# Altium PCB roach2.PcbDoc (part 21 of 39) (continued)
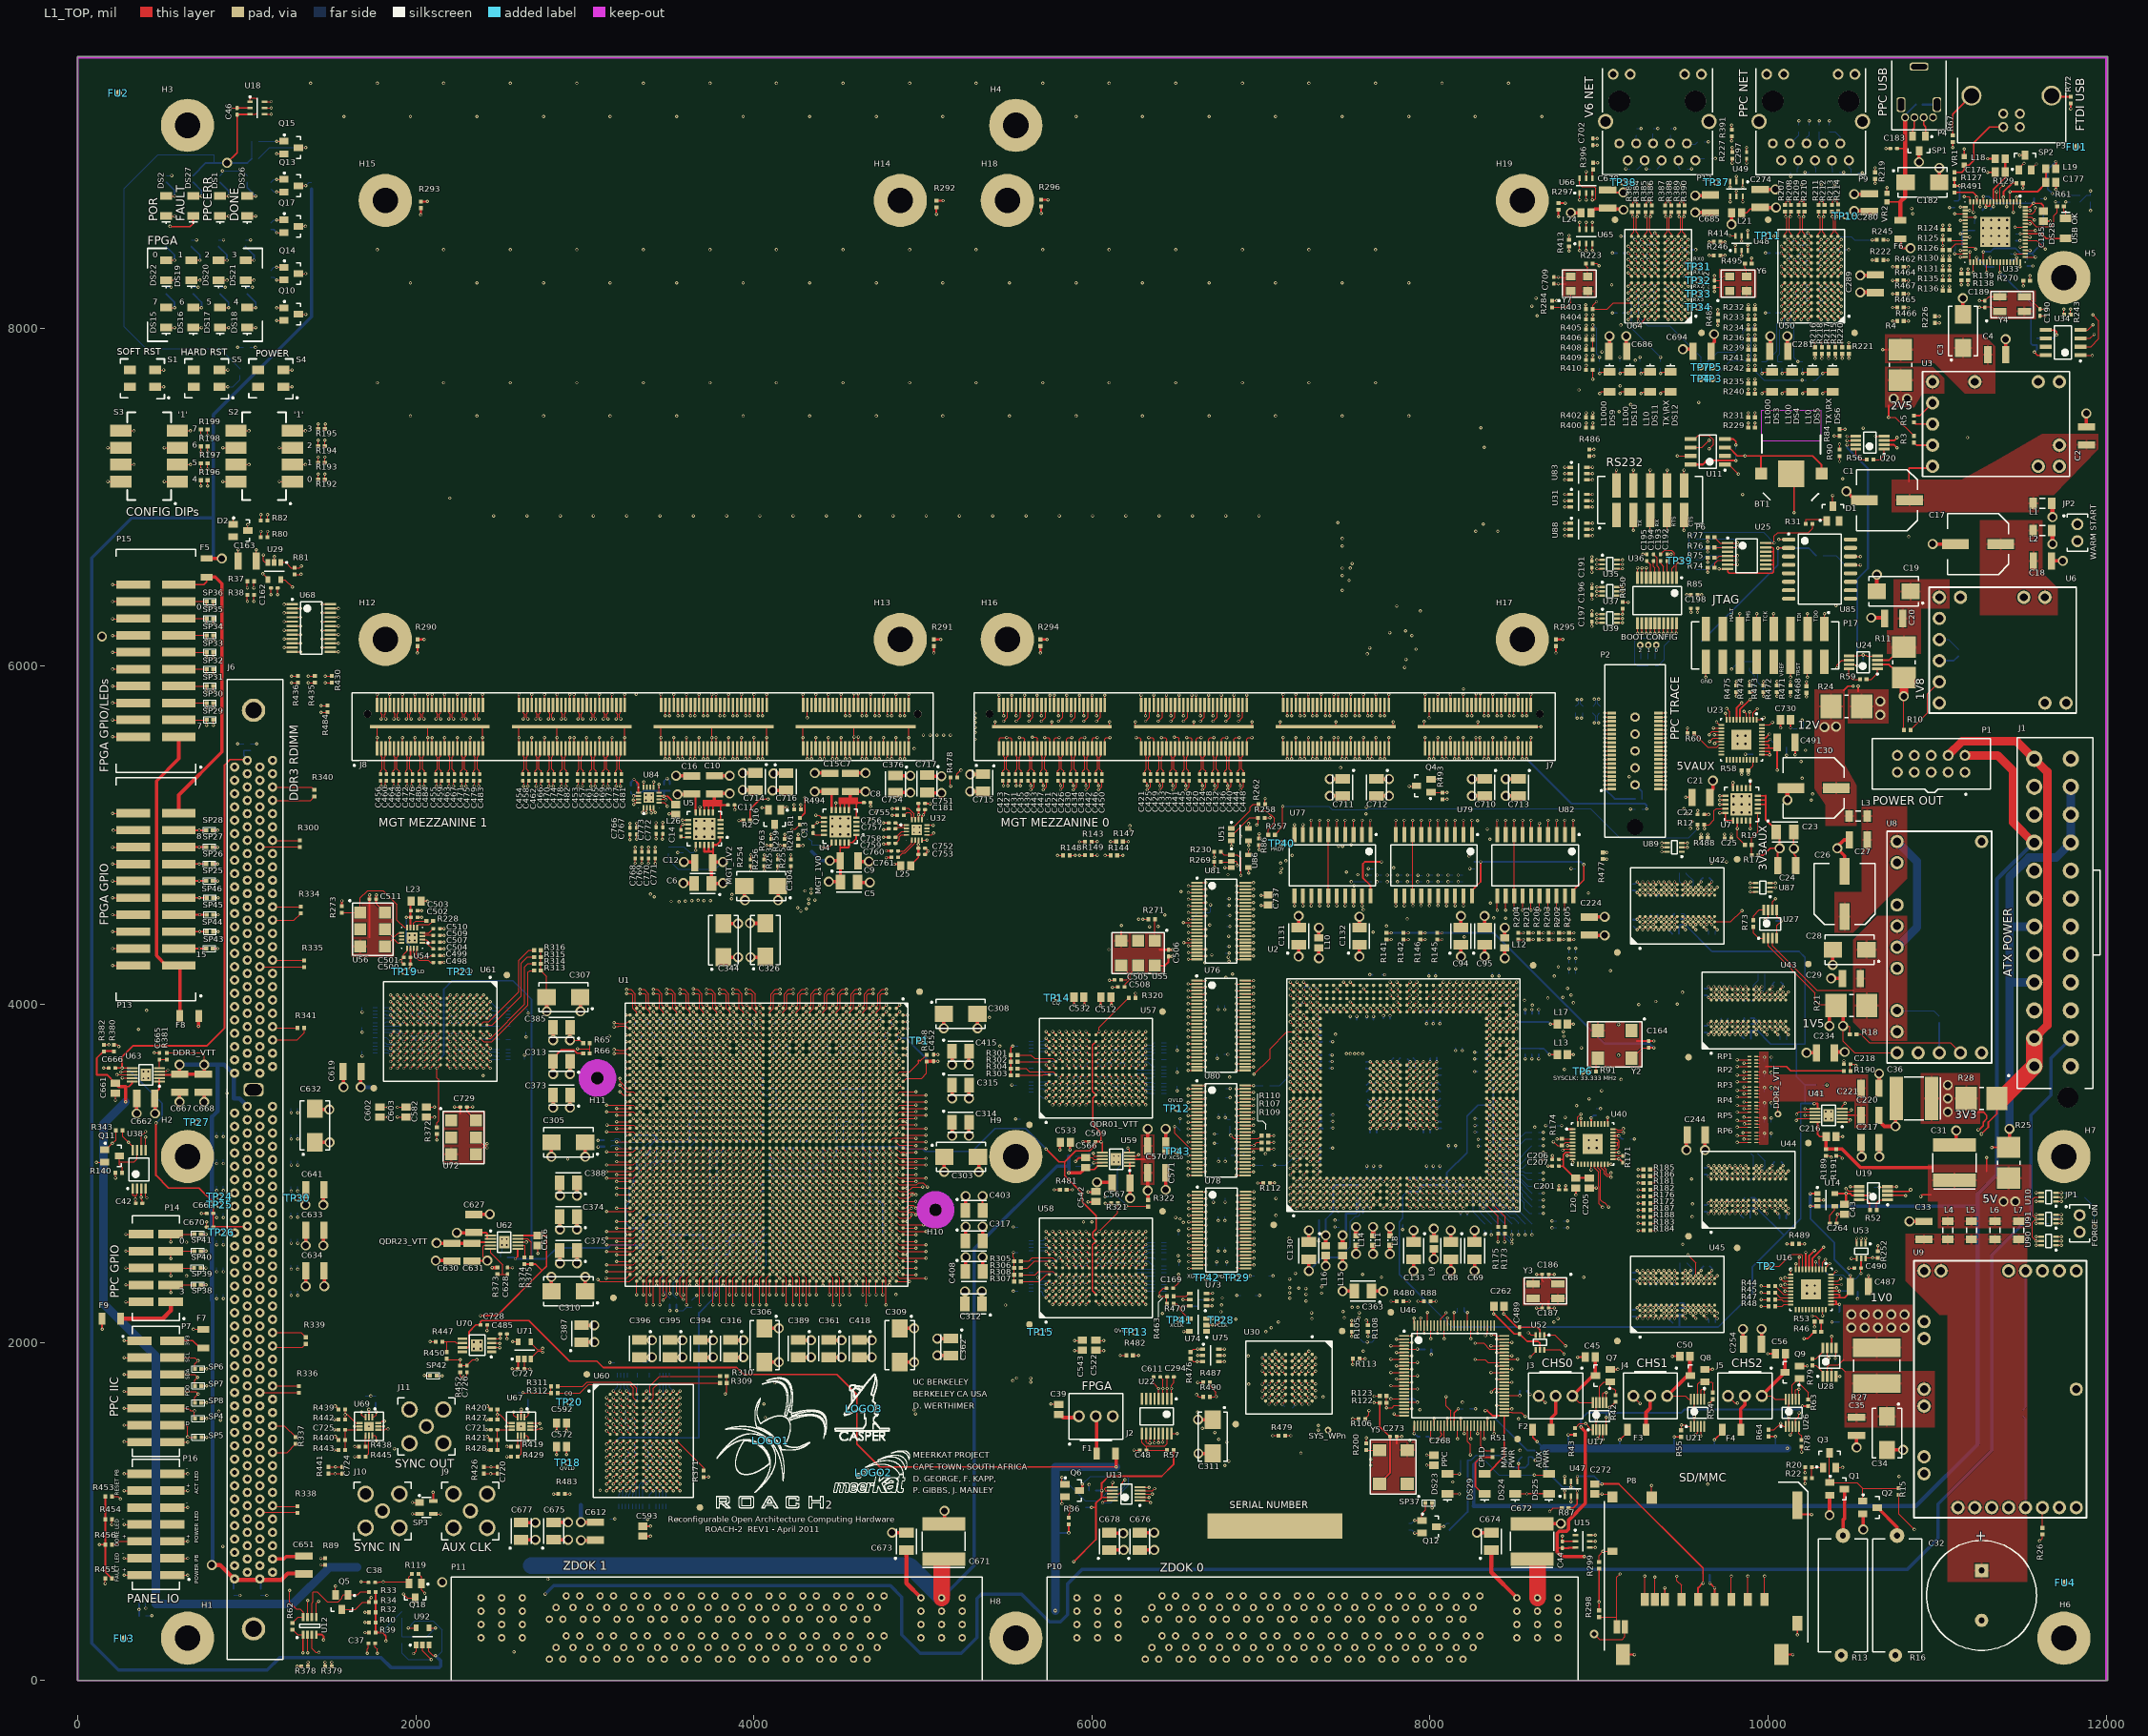
[diagram p0: L1_TOP view]
## Nets (pads, with @x,y where several pads share a name; then routed paths per layer and width w, separated by ;. In a path a pad name is that pad's centre, name@x,y a point inside that pad or via, vN(x,y) a via of type N, cw(c..) or ccw(c..) an arc to the next point about the centre after c; other vN are vias at no path point) (continued)
  other v1: 6958.42,2497.31 4906.68,2518.15 6958.42,2615.42 3243.13,2636.26 6958.42,2891.01 4906.68,2911.85 6955.32,3008.34 6855.32,3027.71 3243.13,3029.96 7704.99,3042.99 6955.32,3047.71 6855.32,3067.08 6955.32,3087.08 6955.32,3126.45 6855.32,3185.19 7724.21,3266.02 4906.68,3305.55 7724.21,3306.02 6955.32,3323.3 6671.89,3324.24 7724.7,3344.47 7724.7,3384.47 3243.13,3423.66 7724.7,3423.98 6569.89,3460.35 6855.32,3460.78 7724.9,3502.46 6955.32,3520.15 3243.13,3541.77 7725.2,3542.5 3243.13,3581.14 4906.68,3581.14 7725.2,3581.52 6958.66,3587.01 6855.32,3609.28 3243.13,3620.51 7724.7,3620.94 3243.13,3659.88 7725.2,3659.96 6669.89,3668.65 6955.32,3668.65 4906.68,3699.25 4906.68,3738.62 3244.03,3779.53 6569.89,3806.13 3244.03,3818.9 4907.57,3858.27 4907.57,3897.64 3244.03,3937.01 4907.57,3937.01 6669.89,3944.24 6955.32,3944.24 6569.89,4081.72 6955.32,4141.09 6856.22,4266.62 6956.22,4325.99 6956.22,4444.1 6856.22,4542.21 6856.22,4660.32 6956.22,4719.69
  other v2: 1525.39,557.79 5822.99,1044.99 6337.7,1083.31 6337.7,1142.36 6249.31,1362.99 6504.49,1460.63 1810.65,1502.79 2710.65,1502.79 5756.99,1634.99 7670,1682 7616.68,1902.99 5896.99,1950.99 6068.99,1950.99 2539,2021 2537.55,2575.56 7342.98,2600.98 2509.99,2610.99 2537.55,2610.99 6079.31,2822.99 5977.81,2889.76 6129.92,3066.93 6157.48,3066.93 5902.99,3070.99 6129.92,3102.36 6157.48,3102.36 6275.59,3110.24 8784.99,3136.99 5811.02,3139.23 5946.63,3187.24 3078.1,3194.46 2124.99,3198.31 10340.99,3322.99 10372.99,3322.99 1833.99,3331.99 2109.99,3331.99 1891.99,3333.99 10340.99,3364.99 10372.99,3364.99 2229.31,3392.99 388.99,3560.99 416.99,3562.99 388.99,3602.99 416.99,3602.99 8642.99,3968.99 6050.99,3992.99 5954.99,3996.99 6256.99,4064.99 7732.09,4174.96 7000.28,4584.59 6786.28,4808.59 3550.31,4898.31 4290.99,5022.99
  other v3: 1636.33,1503.2 2536.33,1503.2 6625.68,1922.99 8724.62,3104.99 6825.39,4936.59
  other v5: 9960.99,2078.99 7482.99,2302.99 7902.99,2422.99 8122.99,2422.99 8262.99,2422.99 5352.99,2865 9626.99,3137.99 10452.99,3717.99 3906.81,4477.99 3977.17,4479.99 7582.99,4517.99 9032.99,4517.99 7222.99,4522.99 8182.99,4522.99 8322.99,4522.99 3946.99,4614.99 3582.99,4716.99 4685.99,4721.06 3586.99,4842.99 4680.99,4844.99 10114.17,5208.66 4110.99,5265.99 9060.99,7952.99 10012.99,7952.99 10544.99,8312.99 9568.99,8784.99 10508.99,8792.99
  other v6: 2460.63,6889.76 2657.48,6889.76 2854.33,6889.76 3051.18,6889.76 3248.03,6889.76 3444.88,6889.76 3641.73,6889.76 3838.58,6889.76 4035.43,6889.76 4232.28,6889.76 4429.13,6889.76 4625.98,6889.76 4822.83,6889.76 5019.68,6889.76 5216.54,6889.76 5413.39,6889.76 5610.24,6889.76 5807.09,6889.76 6003.94,6889.76 6200.79,6889.76 6397.64,6889.76 6594.49,6889.76 6791.34,6889.76 6988.19,6889.76 1968.5,7480.31 2362.2,7480.31 2755.91,7480.31 3149.61,7480.31 3543.31,7480.31 3937.01,7480.31 4330.71,7480.31 4724.41,7480.31 5118.11,7480.31 5511.81,7480.31 5905.51,7480.31 6299.21,7480.31 6692.91,7480.31 7086.61,7480.31 7480.31,7480.31 7874.02,7480.31 1771.65,7677.17 2165.35,7677.17 2559.06,7677.17 2952.76,7677.17 3346.46,7677.17 3740.16,7677.17 4133.86,7677.17 4527.56,7677.17 4921.26,7677.17 5314.96,7677.17 5708.66,7677.17 6102.36,7677.17 6496.06,7677.17 6889.76,7677.17 7283.46,7677.17 7677.17,7677.17 1968.5,8267.72 2362.2,8267.72 2755.91,8267.72 3149.61,8267.72 3543.31,8267.72 3937.01,8267.72 4330.71,8267.72 4724.41,8267.72 5118.11,8267.72 5511.81,8267.72 5905.51,8267.72 6299.21,8267.72 6692.91,8267.72 7086.61,8267.72 7480.31,8267.72 7874.02,8267.72 1771.65,8464.57 2165.35,8464.57 2559.06,8464.57 2952.76,8464.57 3346.46,8464.57 3740.16,8464.57 4133.86,8464.57 4527.56,8464.57 4921.26,8464.57 5314.96,8464.57 5708.66,8464.57 6102.36,8464.57 6496.06,8464.57 6889.76,8464.57 7283.46,8464.57 7677.17,8464.57 1574.8,9251.97 1968.5,9251.97 2362.2,9251.97 2755.91,9251.97 3149.61,9251.97 3543.31,9251.97 3937.01,9251.97 4330.71,9251.97 4724.41,9251.97 5118.11,9251.97 5905.51,9251.97 6299.21,9251.97 6692.91,9251.97 7086.61,9251.97 7480.31,9251.97 7874.02,9251.97 8267.72,9251.97 8661.42,9251.97 1377.95,9448.82 1771.65,9448.82 2165.35,9448.82 2559.06,9448.82 2952.76,9448.82 3346.46,9448.82 3740.16,9448.82 4133.86,9448.82 4527.56,9448.82 4921.26,9448.82 5314.96,9448.82 5708.66,9448.82 6102.36,9448.82 6496.06,9448.82 6889.76,9448.82 7283.46,9448.82 7677.17,9448.82 8070.87,9448.82 8464.57,9448.82
  other v8: 10018.99,3236.99 10018.99,3326.99 10018.99,3416.99 10018.99,3506.99 10018.99,3596.99 10018.99,3686.99
  other v9: 10229.37,2289.37 10276.61,2289.37 10229.37,2336.61 10276.61,2336.61 8939.37,3149.37 8986.61,3149.37 8939.37,3196.61 8986.61,3196.61 3659.75,4991.75 3706.99,4991.75 3754.24,4991.75 4463.75,5005.75 4510.99,5005.75 4558.24,5005.75 3659.75,5038.99 3706.99,5038.99 3754.24,5038.99 4463.75,5052.99 4510.99,5052.99 4558.24,5052.99 3659.75,5086.24 3706.99,5086.24 3754.24,5086.24 4463.75,5100.24 4510.99,5100.24 4558.24,5100.24 9795.75,5135.75 9842.99,5135.75 9890.24,5135.75 9795.75,5182.99 9842.99,5182.99 9890.24,5182.99 9795.75,5230.24 9842.99,5230.24 9890.24,5230.24 9819.37,5541.37 9866.61,5541.37 9819.37,5588.61 9866.61,5588.61
  other v10: 5983.62,1157.99 1722.99,1502.99 2622.99,1502.99
  other v11: 6030.16,2947.09
  other v12: 1962.24,4377.24 1993.74,4377.24 1962.24,4408.74 1993.74,4408.74 4948.24,5016.24 4979.74,5016.24 4948.24,5047.74 4979.74,5047.74 3362.24,5207.24 3393.74,5207.24 3362.24,5238.74 3393.74,5238.74
  other v14: 2343.31,1963.31 2382.68,1963.31 2343.31,2002.68 2382.68,2002.68
HSWAPEN: R263.2 U1.P10 | length 1505.1
  L1_TOP w5: v3(4076.33,4939.31) R263.2@4102.99,4939.31 ; U1.P10@4369.18,3620.51 4370.4,3621.73 v1(4388.87,3640.2)
  L12_S w3.8: v2(4310.99,4564.99) 4310.99,4550.99 4326.99,4534.99 4326.99,4095.28 4327.4,4094.87 4327.4,4057.53 4326.99,4057.12 4326.99,3664.99 4332.99,3658.99 4370.07,3658.99 v1(4388.87,3640.2)
  L14_S w3.8: v3(4076.33,4939.31) 4100.99,4914.65 4100.99,4774.99 v2(4310.99,4564.99)
JTAG_GRAB: R243.2 R252.2 U52.6 U53.6 | length 8671.3
  L1_TOP w5: U52.6@8675.59,1956.54 8768.47,1956.54 v7(8793,1932) ; U53.6@10575.59,2496.69 10579.21,2500.31 v2(10618.57,2500.31) R252.2@10650,2500.31 ; R243.2@11750.31,8080 v2(11750.31,8112.58)
  L5_S w5: v7(8793,1932) 8812,1932 8855,1889 10447,1889 10532,1974 10532,2218 10618.57,2304.57 v2(10618.57,2500.31)
  L8_R w5: v2(10618.57,2500.31) 10618.57,2673.57 10712,2767 10712,6647 v7(10832,6767)
  L14_S w3.94: v7(10832,6767) 10832,6837 11662,7667 11662,7760 11750.31,7848.31 v2(11750.31,8112.58)
MGT0_REFCLK_N: J7.D23 U32.12 | length 3802
  L1_TOP w5: U32.12@5025.02,5061.52 5058.48,5061.52 v2(5060,5060) ; v3(8221.28,5707.7) J7.D23@8221.28,5770.49
  L9_R w3.8: v2(5060,5060) 5071,5071 5081,5071 5186.99,5176.99 5186.99,5460.99 5238.99,5512.99 8190.99,5512.99 8234.99,5556.99 8234.99,5693.99 v3(8221.28,5707.7)
MGT0_REFCLK_P: J7.D24 U32.9 | length 3848.2
  L1_TOP w5: U32.9@5025.02,5002.46 5053.46,5002.46 v2(5064,5013) ; v3(8246.28,5707.7) J7.D24@8246.28,5770.49
  L9_R w3.8: v2(5064,5013) 5080.99,5029.99 5080.99,5059.96 5197.51,5176.48 5197.51,5460.48 5242.22,5505.19 8194.22,5505.19 8246.28,5557.25 v3(8246.28,5707.7)
MGT1_REFCLK_N: J8.D23 U84.12 | length 1590.7
  L1_TOP w5: U84.12@3348.46,5284.02 3348.46,5314.46 v1(3350,5316) ; v3(4541.28,5707.7) J8.D23@4541.28,5770.49
  L3_S w3.8: v1(3350,5316) 3371.19,5337.19 3371.19,5579.19 3454.99,5662.99 4496.57,5662.99 v3(4541.28,5707.7)
MGT1_REFCLK_P: J8.D24 U84.9 | length 1616.7
  L1_TOP w5: v1(3406.99,5315.99) 3407.52,5315.46 U84.9@3407.52,5284.02 ; v3(4566.28,5707.7) J8.D24@4566.28,5770.49
  L3_S w3.8: v1(3406.99,5315.99) 3392.83,5315.99 3378.99,5329.83 3378.99,5575.96 3458.22,5655.19 4513.77,5655.19 v3(4566.28,5707.7)
MGT_1V0: C5.1 C9.2 C344.1 C345.2 C346.2 C347.2 C348.2 C349.2 C350.2 C351.2 C352.2 C353.2 C354.2 C355.2 C356.2 C357.2 C358.2 C359.2 C360.2 C591.2 C601.2 R6.2 U1.AA8 U1.AC8 U1.AE8 U1.AJ8 U1.AL8 U1.AN8 U1.AR8 U1.AU8 U1.AW8 U1.BA8 U1.C8 U1.E8 U1.G8 U1.J8 U1.L8 U1.N8 U1.R8 U1.W8 U4.1 U4.18 U4.19 U4.20 | length 2347.7
  L1_TOP w5: v1(3286.5,3718.94) 3305.87,3699.57 U1.BA8@3306.19,3699.25 ; v1(3365.24,3718.94) 3384.61,3699.57 U1.AW8@3384.93,3699.25 ; v1(3443.98,3718.94) 3463.35,3699.57 U1.AU8@3463.67,3699.25 ; v1(3522.72,3718.94) 3542.09,3699.57 U1.AR8@3542.41,3699.25 ; v1(3601.46,3718.94) 3620.83,3699.57 U1.AN8@3621.15,3699.25 ; v1(3680.2,3718.94) 3699.57,3699.57 U1.AL8@3699.89,3699.25 ; v1(3758.94,3718.94) 3778.31,3699.57 U1.AJ8@3778.63,3699.25 ; v1(3916.42,3718.94) 3935.79,3699.57 U1.AE8@3936.11,3699.25 ; v1(3995.16,3718.94) 4014.53,3699.57 U1.AC8@4014.85,3699.25 ; U1.AA8@4093.59,3699.25 4094.81,3700.47 v1(4113.28,3718.94) ; U1.W8@4172.33,3699.25 4173.55,3700.47 v1(4192.02,3718.94) ; U1.R8@4329.81,3699.25 4331.03,3700.47 v1(4349.5,3718.94) ; U1.N8@4408.55,3699.25 4409.77,3700.47 v1(4428.24,3718.94) ; U1.L8@4487.29,3699.25 4488.51,3700.47 v1(4506.98,3718.94) ; U1.J8@4566.03,3699.25 4567.25,3700.47 v1(4585.72,3718.94) ; U1.G8@4644.77,3699.25 4645.99,3700.47 v1(4664.46,3718.94) ; U1.E8@4723.51,3699.25 4724.73,3700.47 v1(4743.2,3718.94) ; U1.C8@4802.25,3699.25 4803.47,3700.47 v1(4821.94,3718.94)
  L1_TOP w10: C9.2@4509.84,4847.99 C9.2@4511.81,4846.02 ; C9.2@4510.99,4859.84 4510.99,4927.99 ; U4.18@4510.99,4957.52 4510.99,4927.99 ; 4536.58,4928.58 U4.19@4536.58,4957.52 ; U4.1@4606.46,5001.81 4604.99,5000.34 4604.99,4978.99 4583.52,4957.52 U4.20@4562.17,4957.52 4562.17,4929.17 4560.99,4927.99 4510.99,4927.99
  L1_TOP w15: C5.1@4511.81,4722.99 C9.2@4511.81,4846.02
  L1_TOP w20: C344.1@3843.73,4277.14 v5@3888.73,4277.14 ; v5@4455.09,4725.06 C5.1@4500.09,4725.06 ; v5@4460.09,4848.99 4505.09,4848.99 C9.2@4509.84,4847.99
  L9_R w50: 4448.99,4262.99 4448.99,4725.06 v5(4448.99,4848.99)
  L16_BOT w12: v1@3287.4,3720.47 3287.72,3720.16 3306.59,3701.29 C345.2@3307.08,3700.79 ; v1@3366.14,3720.47 3366.46,3720.16 3385.33,3701.29 C353.2@3385.82,3700.79 ; v1@3602.36,3720.47 3602.68,3720.16 3621.8,3701.04 C601.2@3622.05,3700.79 ; v1@3681.1,3720.47 3681.42,3720.16 3700.29,3701.29 C346.2@3700.79,3700.79 ; v1@3759.84,3720.47 3760.16,3720.16 3779.03,3701.29 C354.2@3779.53,3700.79 ; v1@3917.32,3720.47 3917.64,3720.16 3936.51,3701.29 C347.2@3937.01,3700.79 ; v1@3996.06,3720.47 3996.38,3720.16 4015.25,3701.29 C355.2@4015.75,3700.79 ; v1@4114.17,3720.47 4114.49,3720.16 4133.36,3701.29 C348.2@4133.86,3700.79 ; v1@4192.91,3720.47 4193.23,3720.16 C356.2@4212.6,3700.79 ; v1@4350.39,3720.47 4350.71,3720.16 4369.58,3701.29 C349.2@4370.08,3700.79 ; v1@4429.13,3720.47 4429.45,3720.16 4448.32,3701.29 C357.2@4448.82,3700.79 ; v1@4586.62,3720.47 4586.94,3720.16 4605.8,3701.29 C358.2@4606.3,3700.79 ; v1@4665.36,3720.47 4665.68,3720.16 4684.54,3701.29 C351.2@4685.04,3700.79 ; v1@4744.1,3720.47 4744.42,3720.16 4763.28,3701.29 C359.2@4763.78,3700.79 ; v1@4822.84,3720.47 4823.16,3720.16 C352.2@4842.52,3700.79 ; v1@3445.2,3720.16 3444.88,3720.47 v1@3445.2,3720.16 ; v1@3445.2,3720.16 3464.07,3701.29 3464.57,3700.79 3464.07,3701.29 v1@3445.2,3720.16 ; v1@3523.94,3720.16 3523.62,3720.47 v1@3523.94,3720.16 ; v1@3523.94,3720.16 C591.2@3542.81,3701.29 ; v1@3523.94,3720.16 C591.2@3542.81,3701.29 ; C591.2@3542.81,3701.29 3543.31,3700.79 C591.2@3542.81,3701.29 ; v1@4508.19,3720.16 4507.87,3720.47 v1@4508.19,3720.16 ; v1@4508.19,3720.16 C350.2@4527.06,3701.29 ; v1@4508.19,3720.16 C350.2@4527.06,3701.29 ; C350.2@4527.06,3701.29 4527.56,3700.79 C350.2@4527.06,3701.29
  L16_BOT w20: R6.2@4342.99,4903.31 4397.31,4848.99 v5(4448.99,4848.99)
  other v5: 3906.51,4277.99 4443.99,4725.06
MGT_1V0_PG: R1.1 R47.2 U4.9 | length 8946.2
  L1_TOP w5: v2(4226.99,5034.99) 4244.68,5034.99 R1.1@4272.99,5063.31 ; v2(4484.99,5190.99) 4485.4,5190.58 U4.9@4485.4,5148.46 ; v2(9958.4,2254.09) 9959.5,2252.99 R47.2@10003.31,2252.99
  L3_S w3.8: v2(4226.99,5034.99) 4226.99,5066.99 4350.99,5190.99 4368.99,5190.99 ; 4366.99,5190.99 4368.99,5190.99 ; v2(4484.99,5190.99) 4368.99,5190.99 ; v2(8756.99,2140.99) 8834.99,2062.99 9666.99,2062.99 9858.09,2254.09 v2(9958.4,2254.09)
  L8_R w3.8: v2(6770.99,2262.99) 7112.99,2262.99 7156.99,2218.99 7528.93,2218.99 7532.53,2222.59 8253.59,2222.59 8265.19,2210.99 8265.19,2182.8 8288.99,2158.99 8306.99,2158.99 8364.99,2216.99 8562.99,2216.99 8628.99,2150.99 8746.99,2150.99 v2(8756.99,2140.99)
  L9_R w3.8: v2(4484.99,5190.99) 4528.99,5190.99 4738.99,4980.99 4738.99,4889.93 4776.53,4852.39 4779.59,4852.39 4850.99,4780.99 6700.99,4780.99 6756.99,4724.99 6756.99,4064.99 6731.26,4039.26 6731.26,3888.72 6756.3,3863.68 6756.3,3359.51 6733.26,3336.47 6733.26,3315.81 6739.59,3309.48 6739.59,3082.8 6733.26,3076.47 6733.26,2846.82 6741.39,2838.68 6741.39,2736.73 6731.36,2726.7 6731.36,2505.69 6753.59,2483.45 6753.59,2280.39 v2(6770.99,2262.99)
MGT_1V2: C6.1 C12.2 C326.1 C327.2 C328.2 C329.2 C330.2 C331.2 C332.2 C333.2 C334.2 C335.2 C336.2 C337.2 C338.2 C339.2 C340.2 C341.2 C342.2 C343.2 C452.2 C521.2 C531.2 C541.2 C551.2 C552.2 C559.2 C581.2 R7.2 R268.1 U1.A12 U1.AA4 U1.AC4 U1.AE4 U1.AJ4 U1.AL4 U1.AM6 U1.AN4 U1.AP6 U1.AR4 U1.AU4 U1.AV6 U1.AW4 U1.AY6 U1.B6 U1.BA4 U1.C4 U1.D6 U1.E4 U1.F6 U1.G4 U1.H6 U1.J4 U1.L4 U1.N4 U1.P6 U1.R4 U1.W4 U5.1 U5.18 U5.19 U5.20 | length 3507.7
  L1_TOP w5: v1(3287.4,3877.95) U1.BA4@3307.09,3858.27 ; v1(3326.77,3799.21) U1.AY6@3346.46,3779.53 ; v1(3366.14,3877.95) U1.AW4@3385.83,3858.27 ; v1(3405.51,3799.21) U1.AV6@3425.2,3779.53 ; v1(3444.88,3877.95) U1.AU4@3464.57,3858.27 ; v1(3523.62,3877.95) U1.AR4@3543.31,3858.27 ; v1(3562.99,3799.21) U1.AP6@3582.68,3779.53 ; v1(3602.36,3877.95) U1.AN4@3622.05,3858.27 ; v1(3641.73,3799.21) U1.AM6@3661.42,3779.53 ; v1(3681.1,3877.95) U1.AL4@3700.79,3858.27 ; v1(3759.84,3877.95) U1.AJ4@3779.53,3858.27 ; v1(3917.32,3877.95) U1.AE4@3937.01,3858.27 ; v1(3999.69,3877.99) 3996.1,3877.99 3996.06,3877.95 U1.AC4@4015.75,3858.27 ; U1.AA4@4094.49,3858.27 v1(4114.17,3877.95) ; U1.W4@4173.23,3858.27 v1(4192.91,3877.95) ; U1.R4@4330.71,3858.27 v1(4350.39,3877.95) ; U1.P6@4370.08,3779.53 v1(4389.76,3799.21) ; U1.N4@4409.45,3858.27 v1(4429.13,3877.95) ; U1.L4@4488.19,3858.27 v1(4507.87,3877.95) ; U1.J4@4566.93,3858.27 v1(4586.62,3877.95) ; U1.H6@4606.3,3779.53 v1(4625.99,3799.21) ; U1.G4@4645.67,3858.27 v1(4665.36,3877.95) ; U1.F6@4685.04,3779.53 v1(4704.73,3799.21) ; U1.E4@4724.41,3858.27 v1(4744.1,3877.95) ; U1.D6@4763.78,3779.53 v1(4783.47,3799.21) ; U1.C4@4803.15,3858.27 v1(4822.84,3877.95) ; U1.B6@4842.52,3779.53 v1(4862.21,3799.21) ; U1.A12@4882.93,3542.45 4903.25,3562.77 4993.41,3562.77 5022.09,3591.46 R268.1@5022.09,3661.77
  L1_TOP w10: C452.2@5062.99,3662.99 5087.68,3662.99 v2(5087.99,3663.31)
  L1_TOP w12: U5.18@3706.99,4943.52 3706.99,4903.99 3731.99,4903.99 ; U5.19@3732.58,4943.52 3732.58,4904.58 3731.99,4903.99 ; C12.2@3758.17,4870.17 3758.17,4905.17 ; U5.1@3802.46,4987.81 3802.46,4966.46 3779.52,4943.52 U5.20@3758.17,4943.52 3758.17,4905.17 ; 3731.99,4903.99 3756.99,4903.99 3758.17,4905.17
  L1_TOP w20: C6.1@3750.14,4724.06 3750.14,4831.14 C12.2@3751.99,4832.99 ; C6.1@3754.21,4716.14 v5@3799.21,4716.14 ; C12.2@3760.89,4842.99 v5@3805.89,4842.99 ; v5@3997.45,4278.84 C326.1@4042.45,4278.84 ; R268.1@5022.99,3663.31 C452.2@5062.99,3663.31
  L8_R w50: 3816.99,4264.99 v5(3816.99,4716.99) v5(3816.99,4842.99) v5@3816.99,4844.99
  L16_BOT w5: R7.2@3494.99,4893.31 3494.99,4854.99 3550.99,4798.99 3772.99,4798.99 v5(3816.99,4842.99)
  L16_BOT w12: v1(3287.4,3877.95) C343.2@3307.09,3897.64 ; v1(3326.77,3799.21) C342.2@3346.46,3818.9 ; v1@3366.14,3877.95 C334.2@3385.83,3897.64 ; v1(3405.51,3799.21) C333.2@3425.2,3818.9 ; v1(3444.88,3877.95) C332.2@3464.57,3897.64 ; v1(3523.62,3877.95) C340.2@3543.31,3897.64 ; v1(3562.99,3799.21) C341.2@3582.68,3818.9 ; v1(3602.36,3877.95) C331.2@3622.05,3897.64 ; v1(3641.73,3799.21) C330.2@3661.42,3818.9 ; v1(3681.1,3877.95) C339.2@3700.79,3897.64 ; C581.2@3897.64,3897.64 3898.66,3896.69 v1@3918.34,3877.01 ; C559.2@3976.38,3897.64 v1@3996.06,3877.95 ; v1(4114.17,3877.95) C552.2@4133.86,3897.64 ; v1(4192.91,3877.95) C551.2@4212.6,3897.64 ; v1(4350.39,3877.95) C541.2@4370.08,3897.64 ; v1(4389.76,3799.21) C531.2@4409.45,3818.9 ; v1(4429.13,3877.95) C327.2@4448.82,3897.64 ; v1(4507.87,3877.95) C338.2@4527.56,3897.64 ; v1(4586.62,3877.95) C329.2@4606.3,3897.64 ; v1(4625.99,3799.21) C521.2@4645.67,3818.9 ; v1(4665.36,3877.95) C335.2@4685.04,3897.64 ; C337.2@4763.78,3818.9 v1(4783.47,3799.21) ; C328.2@4803.15,3897.64 v1(4822.84,3877.95) ; C336.2@4842.52,3818.9 v1(4862.21,3799.21) 4900.79,3799.21 5036.69,3663.31 v2(5087.99,3663.31)
  other v5: 3979.67,4277.99
MGT_1V2_PG: R2.1 R45.2 U5.9 | length 9441.2
  L1_TOP w5: U5.9@3680.99,5140.37 v2(3680.99,5167.03) ; v2(3911.65,5087.99) R2.1@3938.31,5087.99 ; v2(9958.4,2294.09) 9959.5,2292.99 R45.2@10003.31,2292.99
  L3_S w3.8: v2(3680.99,5167.03) 3832.61,5167.03 v2(3911.65,5087.99) ; v2(8732.99,2120.99) 8834.99,2018.99 9728.99,2018.99 9898.99,2188.99 9984.99,2188.99 10000.18,2204.18 10000.18,2252.31 v2(9958.4,2294.09)
  L8_R w3.8: v2(6766.99,2220.99) 7099.98,2220.99 7125.98,2194.99 7474.93,2194.99 7478.53,2198.59 7525.33,2198.59 7532.53,2191.39 7579.45,2191.39 7581.09,2193.03 8228.19,2193.03 8237.33,2183.89 8237.33,2172.65 8264.99,2144.99 8330.99,2144.99 8361.39,2175.39 8361.39,2175.45 8380.93,2194.99 8556.99,2194.99 8632.99,2118.99 8730.99,2118.99 v2(8732.99,2120.99)
  L9_R w3.8: v2(3911.65,5087.99) 4271.99,5087.99 4404.99,4954.99 4658.99,4954.99 4848.99,4764.99 6676.99,4764.99 6742.99,4698.99 6742.99,4094.99 6718.99,4070.99 6718.99,3390.02 6722.79,3386.22 6722.79,3253.85 6708.39,3239.45 6708.39,2860.65 6733.59,2835.45 6733.59,2813.39 6718.99,2798.79 6718.99,2427.01 6740,2406 6740,2247.98 v2(6766.99,2220.99)
MGT_GPIO0: J7.C17 U1.J16 | length 4977.7
  L1_TOP w5: U1.J16@4566.03,3384.29 4567.25,3385.51 v1(4585.72,3403.98) ; v3(7156.28,5707.7) J7.C17@7156.28,5770.49
  L8_R w3.8: v1(4585.72,3403.98) 4601.32,3419.58 4601.32,3499.32 4608.49,3506.49 4876.49,3506.49 4892.99,3522.99 4982.99,3522.99 5200.99,3740.99 5200.99,3916.99 5158.99,3958.99 5158.99,4704.99 5260.99,4806.99 5260.99,5190.89 5315.42,5245.32 5315.42,5374.67 5197.99,5492.09 5197.99,5672.99 5247.99,5722.99 v2(5307.99,5722.99)
  L9_R w3.8: v2(5307.99,5722.99) 5352.99,5767.99 7095.99,5767.99 v3(7156.28,5707.7)
MGT_GPIO1: J7.C18 U1.H20 | length 5126.5
  L1_TOP w5: U1.H20@4605.4,3226.81 v1(4625.09,3246.5) ; v3(7181.28,5707.7) J7.C18@7181.28,5770.49
  L8_R w3.8: v1(4625.09,3246.5) 4609.49,3262.1 4609.49,3489.18 4618.63,3498.32 4630.62,3498.32 4630.99,3498.69 4888.33,3498.69 4900.21,3486.8 4914.8,3486.8 4940.99,3512.99 4990.99,3512.99 5224.99,3746.99 5224.99,3932.99 5180.99,3976.99 5180.99,4692.99 5292.99,4804.99 5292.99,5202.99 5323.22,5233.22 5323.22,5392.76 5222.99,5492.99 5222.99,5672.99 5242.99,5692.99 v2(5307.99,5692.99)
  L9_R w3.8: v2(5307.99,5692.99) 5337.01,5692.99 5382.01,5647.99 7121.57,5647.99 v3(7181.28,5707.7)
MGT_GPIO2: J7.C19 U1.N18 | length 5531.6
  L1_TOP w5: U1.N18@4408.55,3305.55 4409.77,3306.77 v1(4428.24,3325.24) ; v3(7231.28,5707.7) J7.C19@7231.28,5770.49
  L8_R w3.8: v1(4428.24,3325.24) 4446.48,3306.99 4508.99,3306.99 4524.99,3290.99 4524.99,3238.99 4534.99,3228.99 4629.65,3228.99 4640.69,3240.03 4640.69,3460.69 4644.99,3464.99 4914.99,3464.99 4950.99,3500.99 5082.99,3500.99 5210.99,3628.99 5210.99,3704.99 5244.99,3738.99 5244.99,3956.99 5214.99,3986.99 5214.99,4694.99 5314.99,4794.99 5314.99,5204.99 5332.99,5222.99 5332.99,5417.99 5242.99,5507.99 5242.99,5647.99 5262.99,5667.99 v2(5307.99,5667.99)
  L9_R w3.8: v2(5307.99,5667.99) 5272.99,5702.99 5272.99,5722.99 5337.99,5787.99 7150.99,5787.99 v3(7231.28,5707.7)
MGT_GPIO3: J7.C20 U1.B16 | length 4721
  L1_TOP w5: U1.B16@4841.62,3384.29 4842.84,3385.51 4862.05,3404.72 v2(4958.99,3404.72) ; v3(7256.28,5707.7) J7.C20@7256.28,5770.49
  L8_R w3.8: v2(4958.99,3404.72) 4958.99,3438.99 5006.99,3486.99 5102.99,3486.99 5228.99,3612.99 5228.99,3692.99 5266.99,3730.99 5266.99,3976.99 5236.99,4006.99 5236.99,4674.99 5338.99,4776.99 5338.99,5193.99 5347.99,5202.99 5347.99,5437.99 5262.99,5522.99 5262.99,5622.99 5277.99,5637.99 v2(5307.99,5637.99)
  L9_R w3.8: v2(5307.99,5637.99) 5317.99,5627.99 7176.57,5627.99 v3(7256.28,5707.7)
MGT_GPIO4: J7.C21 U1.L29 | length 5868.5
  L1_TOP w5: U1.L29@4487.29,2872.48 v1(4506.98,2852.79) ; v3(7306.28,5707.7) J7.C21@7306.28,5770.49
  L8_R w3.8: v1(4506.98,2852.79) 4524.99,2870.81 4524.99,3152.99 4558.99,3186.99 4832.99,3186.99 4880.99,3234.99 4880.99,3352.99 4916.75,3388.75 4965.08,3388.75 4988.99,3412.65 4988.99,3422.99 5010.99,3444.99 5084.99,3444.99 5220.99,3580.99 5272.99,3580.99 5314.99,3622.99 5314.99,3816.24 5287.56,3843.67 5287.56,3873.02 5301.26,3886.72 5301.26,3988.72 5266.99,4022.99 5266.99,4656.99 5368.99,4758.99 5368.99,5466.99 5277.99,5557.99 5277.99,5597.99 5287.99,5607.99 v2(5307.99,5607.99)
  L9_R w3.8: v2(5307.99,5607.99) 5257.99,5657.99 5257.99,5742.99 5317.99,5802.99 7247.99,5802.99 7306.28,5744.7 v3(7306.28,5707.7)
MGT_GPIO5: J7.C22 U1.K29 | length 5644.7
  L1_TOP w5: U1.K29@4526.66,2872.48 v1(4546.35,2852.79) ; v3(7331.28,5707.7) J7.C22@7331.28,5770.49
  L8_R w3.8: v1(4546.35,2852.79) 4564.99,2871.44 4564.99,3152.99 4580.99,3168.99 4866.99,3168.99 4930.99,3232.99 4930.99,3359.41 4952.53,3380.95 4980.95,3380.95 5000.99,3400.99 5064.99,3400.99 5144.99,3480.99 5212.99,3480.99 5384.99,3652.99 5384.99,3890.99 5348.99,3926.99 5348.99,3990.99 5298.99,4040.99 5298.99,4642.99 5398.99,4742.99 5398.99,5182.99 ; v2(5307.99,5567.99) 5398.99,5476.99 5398.99,5182.99 ; 5398.99,5186.99 5398.99,5182.99
  L9_R w3.8: v2(5307.99,5567.99) 5347.99,5607.99 7282.99,5607.99 7331.28,5656.28 v3(7331.28,5707.7)
MGT_GPIO6: J8.C17 U1.N15 | length 4410.4
  L1_TOP w5: v3(3476.28,5707.7) J8.C17@3476.28,5770.49 ; U1.N15@4408.55,3423.66 4409.77,3424.88 v1(4428.24,3443.35)
  L8_R w3.8: v1(4428.24,3443.35) 4443.84,3458.95 4443.84,3617.84 4450.6,3624.6 4890.6,3624.6 5018.99,3752.99 5018.99,4768.99 5116.99,4866.99 5116.99,5162.99 4962.99,5316.99 4962.99,5497.64 v2(4948.82,5511.81)
  L9_R w3.8: v3(3476.28,5707.7) 3476.28,5619.7 3492.99,5602.99 4914.6,5602.99 4931.88,5585.71 4931.88,5528.75 v2(4948.82,5511.81)
MGT_GPIO7: J8.C18 U1.P16 | length 4518.2
  L1_TOP w5: v3(3501.28,5707.7) J8.C18@3501.28,5770.49 ; U1.P16@4369.18,3384.29 v1(4388.87,3403.98)
  L8_R w3.8: v1(4388.87,3403.98) 4412.64,3427.75 4434.7,3427.75 4452.01,3445.05 4452.01,3607.29 4461.51,3616.8 4910.8,3616.8 5044.99,3750.99 5044.99,4756.99 5142.99,4854.99 5142.99,5166.99 5142.89,5166.99 5002.99,5306.89 v2(5002.99,5592.99)
  L9_R w3.8: v3(3501.28,5707.7) 3501.28,5634.7 3517.99,5617.99 4977.99,5617.99 v2(5002.99,5592.99)
MGT_GPIO8: J8.C19 U1.N16 | length 4497.6
  L1_TOP w5: v3(3551.28,5707.7) J8.C19@3551.28,5770.49 ; U1.N16@4408.55,3384.29 4409.77,3385.51 v1(4428.24,3403.98)
  L8_R w3.8: v1(4428.24,3403.98) 4447.25,3422.99 4469.31,3422.99 4483.21,3436.88 4483.21,3570.78 4497.28,3584.86 4828.03,3584.86 4850.16,3606.99 4950.99,3606.99 5050.99,3706.99 5050.99,3728.99 5066.99,3744.99 5066.99,4746.99 5168.99,4848.99 5168.99,5241.09 5124.67,5285.42 5090.56,5285.42 5042.99,5332.99 v2(5042.99,5592.99)
  L9_R w3.8: v3(3551.28,5707.7) 3551.28,5649.7 3572.99,5627.99 5007.99,5627.99 v2(5042.99,5592.99)
MGT_GPIO9: J8.C20 U1.P17 | length 4598.8
  L1_TOP w5: v3(3576.28,5707.7) J8.C20@3576.28,5770.49 ; U1.P17@4369.18,3344.92 4370.4,3346.14 v1(4388.87,3364.61)
  L8_R w3.8: v1(4388.87,3364.61) 4406.17,3364.61 4425.57,3384 4474.38,3384 4491.38,3400.99 4491.38,3567.92 4500.51,3577.06 4871.39,3577.06 4891.08,3596.74 4962.74,3596.74 5066.99,3700.99 5066.99,3712.99 5088.99,3734.99 5088.99,3841.89 5087.56,3843.32 5087.56,4733.56 5188.99,4834.99 5188.99,5236.99 5112.99,5312.99 5092.99,5312.99 5072.99,5332.99 5072.99,5512.99 5082.99,5522.99 v2(5082.99,5592.99)
  L9_R w3.8: v3(3576.28,5707.7) 3576.28,5654.7 3587.99,5642.99 5032.99,5642.99 v2(5082.99,5592.99)
MGT_GPIO10: J8.C21 U1.L15 | length 4421.8
  L1_TOP w5: v3(3626.28,5707.7) J8.C21@3626.28,5770.49 ; U1.L15@4487.29,3423.66 4488.51,3424.88 v1(4506.98,3443.35)
  L8_R w3.8: v1(4506.98,3443.35) 4522.58,3458.95 4522.58,3542.58 4525.86,3545.86 4945.86,3545.86 5087.08,3687.08 5094.14,3687.08 5160.99,3753.93 5160.99,3884.99 5114.99,3930.99 5114.99,4724.99 5212.99,4822.99 5212.99,5302.99 5122.99,5392.99 v2(5122.99,5592.99)
  L9_R w3.8: v3(3626.28,5707.7) 3626.28,5674.7 3637.99,5662.99 5052.99,5662.99 v2(5122.99,5592.99)
MGT_GPIO11: J8.C22 U1.K19 | length 4599.1
  L1_TOP w5: v3(3651.28,5707.7) J8.C22@3651.28,5770.49 ; U1.K19@4526.66,3266.18 4527.88,3267.4 v1(4546.35,3285.87)
  L8_R w3.8: v1(4546.35,3285.87) 4522.58,3309.64 4522.58,3430.58 4530.75,3438.75 4530.75,3528.55 4539.88,3537.69 4963.69,3537.69 5073.71,3647.71 5094.45,3647.71 5180.99,3734.25 5180.99,3900.99 5140.99,3940.99 5140.99,4716.99 5238.99,4814.99 5238.99,5316.99 5162.99,5392.99 v2(5162.99,5592.99)
  L9_R w3.8: v3(3651.28,5707.7) 3651.28,5689.71 3662.99,5677.99 5077.99,5677.99 v2(5162.99,5592.99)
MGT_RX_AC0_N: C480.1 U1.AW6 | length 2277.9
  L1_TOP w5: C480.1@2019.68,5322.83 2025.34,5317.18 v2@2025.34,5292.99 ; v1(3366.14,3799.21) U1.AW6@3385.83,3779.53
  L5_S w3.8: v2(2023.34,5290.99) 2029.19,5285.14 2029.19,5040.79 2952.99,4116.99 3242.99,4116.99 3271.19,4088.79 3271.19,4080.79 3342.37,4009.61 3342.37,3834.64 3366.14,3810.87 v1(3366.14,3799.21)
MGT_RX_AC0_P: C484.1 U1.AW5 | length 2277.9
  L1_TOP w5: v2(2049.34,5290.99) 2049.34,5317.06 C484.1@2055.12,5322.83 ; v1(3366.14,3838.58) U1.AW5@3385.83,3818.9
  L5_S w3.8: v2(2049.34,5290.99) 2040.99,5282.65 2040.99,5044.99 2956.99,4128.99 3247.68,4128.99 3282.99,4093.68 3282.99,4082.99 3324.96,4041.02 ccw(c3329.13,4045.2) 3333.3,4041.02 3341.89,4049.61 cw(c3346.06,4045.44) 3350.24,4049.61 cw(c3346.06,4045.44) 3350.24,4041.27 3341.65,4032.68 ccw(c3345.82,4028.51) 3341.65,4024.34 3354.17,4011.81 3354.17,3928.99 3350.54,3925.36 3350.54,3854.18 v1(3366.14,3838.58)
MGT_RX_AC1_N: C472.1 U1.AY8 | length 2360.8
  L1_TOP w5: C472.1@1944.88,5322.83 1950.54,5317.18 v2@1950.54,5292.99 ; v1(3325.87,3718.94) 3345.24,3699.57 U1.AY8@3345.56,3699.25
  L5_S w3.8: v2(1948.54,5290.99) 1955.19,5284.34 1955.19,5028.81 2909.01,4074.99 3180.99,4074.99 3296.99,3958.99 3296.99,3929.79 3303,3923.79 3303,3755.89 3326.77,3732.12 v1@3326.77,3720.47
MGT_RX_AC1_P: C476.1 U1.AY7 | length 2360.8
  L1_TOP w5: v2(1974.54,5290.99) 1974.54,5317.06 C476.1@1980.31,5322.83 ; v1(3325.87,3758.31) 3345.24,3738.94 U1.AY7@3345.56,3738.62
  L5_S w3.8: v2(1974.54,5290.99) 1966.99,5283.45 1966.99,5032.99 2910.99,4088.99 3186.99,4088.99 3265.76,4010.22 ccw(c3269.93,4014.4) 3274.1,4010.22 3283.3,4019.42 cw(c3287.47,4015.25) 3291.65,4019.42 cw(c3287.47,4015.25) 3291.65,4011.08 3282.45,4001.88 ccw(c3286.62,3997.71) 3282.45,3993.54 3310.99,3964.99 3310.99,3775.62 v1@3326.77,3759.84
MGT_RX_AC2_N: C464.1 U1.BA6 | length 2325.3
  L1_TOP w5: C464.1@1866.14,5322.83 1871.8,5317.18 v2@1871.8,5292.99 ; v1(3287.4,3799.21) U1.BA6@3307.09,3779.53
  L5_S w3.8: v2(1869.8,5290.99) 1877.19,5283.59 1877.19,5012.79 2854.99,4034.99 3172.99,4034.99 3263.63,3944.35 3263.63,3834.64 3287.4,3810.87 v1(3287.4,3799.21)
MGT_RX_AC2_P: C468.1 U1.BA5 | length 2327.4
  L1_TOP w5: v2(1895.8,5290.99) 1895.8,5317.06 C468.1@1901.57,5322.83 ; v1(3287.4,3838.58) U1.BA5@3307.09,3818.9
  L5_S w3.8: v2(1895.8,5290.99) 1888.99,5284.19 1888.99,5016.99 2858.99,4046.99 3178.99,4046.99 3210.99,4014.99 ccw(c3215.16,4019.17) 3219.33,4014.99 cw(c3223.51,4010.82) 3227.68,4014.99 cw(c3223.51,4010.82) 3227.68,4006.65 ccw(c3231.85,4002.48) 3227.68,3998.31 ccw(c3231.85,4002.48) 3236.02,3998.31 cw(c3240.19,3994.13) 3244.37,3998.31 cw(c3240.19,3994.13) 3244.37,3989.96 ccw(c3248.54,3985.79) 3244.37,3981.62 ccw(c3248.54,3985.79) 3252.71,3981.62 cw(c3256.88,3977.45) 3261.05,3981.62 cw(c3256.88,3977.45) 3261.05,3973.28 ccw(c3265.22,3969.1) 3261.05,3964.93 3275.43,3950.55 3275.43,3928.99 3271.8,3925.36 3271.8,3854.18 v1(3287.4,3838.58)
MGT_RX_AC3_N: C456.1 U1.BB8 | length 2397.6
  L1_TOP w5: C456.1@1791.34,5322.83 1796.99,5317.18 1796.99,5292.99 v2(1794.99,5290.99) ; v1@3176.09,3709.46 3176.73,3710.09 3198.27,3710.09 3200.09,3711.92 3242.91,3711.92 3255.09,3699.73 3267.72,3699.73 U1.BB8@3267.82,3699.73
  L5_S w3.8: v2(1794.99,5290.99) 1799.21,5286.77 1794,5281.56 1802,5273.56 1802,5028.71 2833.72,3996.99 2997.69,3996.99 3112.99,3881.69 3112.99,3750.12 3147.1,3716.01 3167.97,3716.01 v1@3173.99,3709.99
  other v1: 3173.09,3708.46